# KiCad board rp2040-decoder.kicad_pcb (continued)
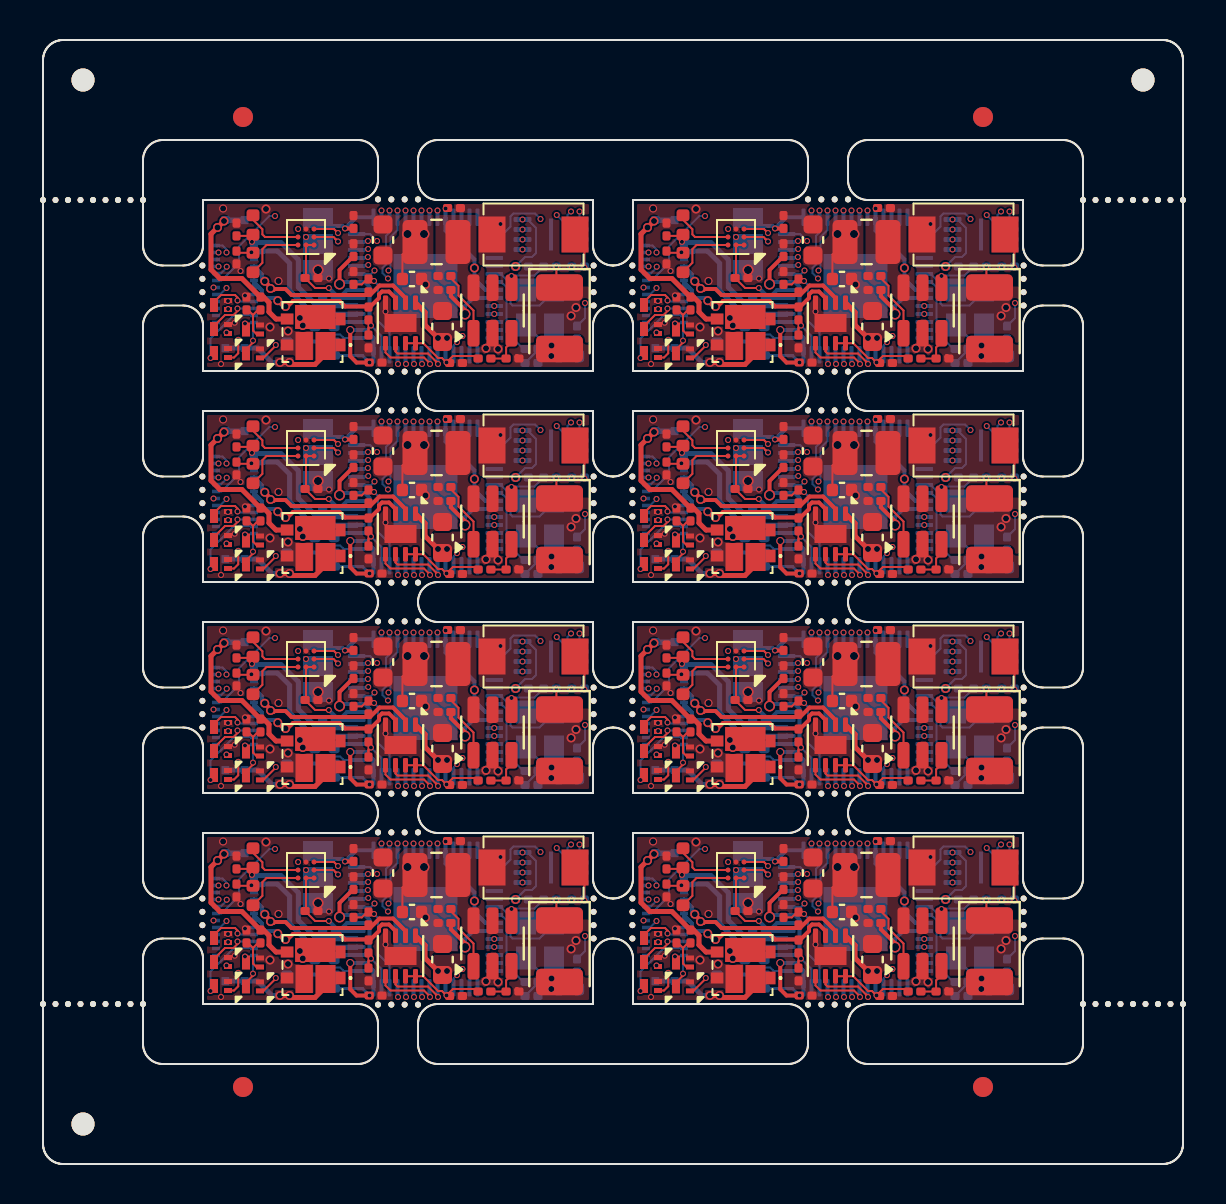
[diagram p0: board, top side]
## Routing (per net, layer and track width the routed paths; a pad name or vN(x,y) marks a point on that pad's centre or on a via; arc(x,y) is an arc through that point) (continued)
  Bottom w0.1: v3(26.4,47.62) 26.22,47.45 26.22,46.95 26.45,46.73 26.82,46.73 ; U3#4.55 16.05,46.1 16.1,46.15 v3(16.25,46.15)
Board_0-Net-(U1-IO2): length 12.8
  In2.Cu w0.1: v3(25.69,47.45) 25.59,47.55 21.7,47.55 19.75,45.6 16.55,45.6 16.4,45.75 v3(16.25,45.75)
  Bottom w0.1: v3(16.25,45.75) 16.06,45.75 16.01,45.7 U3#4.54 ; v3(25.69,47.45) 26,47.14 26,46.75 26.52,46.23 26.82,46.23
Board_0-Net-(U1-IO3): length 10.8
  In2.Cu w0.1: v3(16.57,44.68) 16.9,45 20,45 20.3,45.3 23.69,45.3 23.77,45.23 24.25,45.23 24.47,45.45 24.47,46.25 23.97,46.75
  Bottom w0.1: U3#4.51 16.4,44.5 v3(16.57,44.68)
  vias: v3(23.97,46.73)
Board_0-Net-(U1-~{CS}): length 15.6
  In2.Cu w0.1: v3(16.7,46.15) 16.7,46.11 16.82,46 19.56,46 21.51,47.95 26.5,47.95 v3(26.82,47.62) 26.43,47.23 26.43,44.88 v3(26.43,44.88)
  Bottom w0.1: U3#4.56 16.35,46.5 v3(16.7,46.15) ; v3(26.82,47.62) 26.82,47.23
Board_0-Net-(U2-BS): length 3.3
  Top w0.1: 20.4,44.4 20.4,44.29 20.78,43.91 20.78,43.42 21.53,42.67 U2.1
Board_0-Net-(U2-EN): length 2.4
  Top w0.1: v3(23.43,44.4) U2.4
  Bottom w0.1: v3(23.43,44.4) 23.45,44.43 24.58,44.43 R5#5.2
Board_0-Net-(U2-FB): length 2.1
  Top w0.1: 22.4,40.28 R7.2 23.16,40.83 23.43,41.1 U2.3
Board_0-Net-(U3-ADC_AVDD): length 2.8
  Bottom w0.1: U3#4.43 15.03,41.3 15,41.33 15,41.33 14.86,41.48 14.33,41.48 R10#5.2
  Bottom w0.2: R10#5.2 13.19,41.12 13.12,41.05
Board_0-Net-(U3-GPIO12): length 9.6
  In2.Cu w0.1: v3(24.88,47.25) 26.13,46 26.13,44.1 27.1,43.12 v3(27.1,43.05)
  Bottom w0.1: v3(27.1,43.05) 27.1,42.3 R9#4.2 ; U3#4.15 23,46.5 23.38,46.88 23.38,47.38 23.52,47.53 24.6,47.53 v3(24.88,47.25)
Board_0-Net-(U3-XIN): length 5.9
  Bottom w0.1: U3#4.20 22.88,44.5 23.38,44.01 23.38,43.03 23.47,42.93 24.82,42.93 25.55,43.65 Y1#7.3 26.25,43.7 C1#8.1
Board_0-Net-(U3-XOUT): length 4.2
  Bottom w0.1: 24.1,40.75 24.03,40.75 23.18,41.6 23.18,43.83 22.91,44.1 U3#4.21
Board_0-Net-(U5-OUTN): length 3
  Top w0.1: FB2#8.2 10.5,47.21 10.97,46.74 10.97,46.48 11.1,46.35 U5#2.B3
Board_0-Net-(U5-OUTP): length 3.2
  Top w0.1: FB1#2.2 10.97,45.06 10.97,45.75 11.18,45.95 U5#2.A3
Board_0-VDC: length 8.7
  Top w0.1: C4#5.1 25.67,43.98 v3(25.67,44.88)
  Top w0.25: U4#5.1 19.1,42.59 19.1,41.95 v4(19.75,41.3) v4(20.2,41.3)
  In2.Cu w0.2: v3(9.18,43.8) 10.5,43.8 12,42.3 v4(12.85,42.3)
  Bottom w0.1: J4#6.17 8.85,43.48 v3(9.18,43.8)
  vias: v4(12.99,41.93) v4(26.41,42.4) v4(26.65,42.83)
Board_1-+1V1: length 17.4
  Top w0.2: v1(42.6,42.5) 42.6,42.68 41.9,43.39 41.9,43.7 ; 37.09,45.45 37.07,45.45 36.33,44.7 v1(36.33,44)
  In2.Cu w0.4: v1(36.33,44) 36.88,43.45 41.8,43.45 42.6,42.65 v1(42.6,42.5)
  Bottom w0.2: v1(36.33,44) 36.43,44.1 U3#2.50 37.58,44.1 37.82,43.85 37.82,42.35 37.58,42.1 U3#2.45 36.21,42.1 36.06,41.95 ; v1(42.6,42.5) 42.6,42.9 43,43.3 U3#2.23
Board_1-+3.3V: length 42.9
  Top w0.1: v3(42.48,41.4) 42.5,41.38 ; v3(37.82,40.08) C13#6.1 ; U4#4.7 40.52,41.04 41.26,40.3 41.45,40.3 41.67,40.08 v3(41.68,40.08) 42,40.4 43.13,40.4 R8#6.1 ; U5#4.A1 U5#4.A2 34.65,44.34 34.6,44.3 35.1,43.8 v3(35.79,43.8) ; C10#2.1 39.47,45.47 L1#2.2
  Top w0.2: v3(36.6,46.78) 37.02,46.78 C17.1 ; v2(36.86,41.7) 36.86,40.39 37.18,40.08 C13#6.1
  In1.Cu w0.2: v2(36.86,41.7) 35.79,42.77 v3(35.79,43.8)
  In1.Cu w0.25: v3(37.82,40.08) 38.12,40.38 41.43,40.38 ; 41.43,40.38 42.01,40.38 42.57,40.94 42.57,41.3 v3(42.48,41.4) ; 41.43,40.38 41.68,40.12 v3(41.68,40.08)
  In2.Cu w0.1: v4(45.13,44.88) 45.06,44.8 v4(43.07,44.8)
  Bottom w0.1: v4(45.13,44.88) 45.6,45.35 45.95,45.35 46.15,45.55 46.15,46.8 45.73,47.23 v3(45.47,47.23)
  Bottom w0.15: R10#4.1 C11#7.1 37.47,40.43 37.66,40.24 ; 37.97,40.15 37.75,40.15 37.66,40.24 ; 37.66,40.24 v3(37.82,40.08)
  Bottom w0.2: 37.08,43.3 36.3,43.3 ; 36.3,43.3 36.25,43.35 C12#3.1 36.12,43.47 v3(35.79,43.8) ; 36.3,43.3 36.7,43.7 U3#2.49 ; U3#2.44 37.62,41.7 38.03,41.3 U3#2.42 ; 35.5,47.33 35.82,47.65 ; U3#2.22 43.62,43.7 43.07,44.25 v4(43.07,44.8) 43.07,45.23 41.62,46.68 U3#2.10 ; 35.43,47.12 JP1.3 35.65,46.9 36.48,46.9 v3(36.6,46.78) 37.16,47.34 U3#2.1
  vias: v1(39.72,46.5) v1(40.55,46.5) v3(30.03,43.83) v3(41.63,47.78)
Board_1-/ADC_EMF_A: length 2.8
  Top w0.1: v3(37.9,41.92) 37.78,41.8 37.78,41.62 ; R11#2.1 R12#8.2
  Bottom w0.1: U3#2.41 38.43,41.39 v3(37.9,41.92)
Board_1-/ADC_EMF_B: length 5.2
  Top w0.1: R14#3.2 37.44,43.98 37.78,44.31 37.89,44.31 v3(38.05,44.15)
  Bottom w0.1: U3#2.40 38.82,41.58 38.25,42.15 38.25,43.95 v3(38.05,44.15)
Board_1-/AUX1 (VDC): length 3.6
  Bottom w0.1: J4#5.11 32.03,42.45 31.05,42.45 29.88,41.28 v3(29.88,40.3)
Board_1-/AUX2 (VDC): length 1.7
  Top w0.1: Q5#7.3 31.65,40.72 32,41.08 v3(32,41.17)
  Bottom w0.1: v3(32,41.17) 32,41.66 32.05,41.71 J4#5.12
Board_1-/AUX3: length 11.3
  In2.Cu w0.1: v3(39.62,47.68) 39.62,47.65 38.91,46.93 38.18,46.93 37.83,47.28 33.97,47.28 33.39,46.7 31.62,46.7 31.07,46.15 31.07,45.33 30.92,45.17 30.57,45.17 v3(30.28,44.88)
Board_1-/AUX4: length 12
  In2.Cu w0.1: v3(30.69,44.86) 30.94,44.86 31.28,45.2 31.28,46.07 31.71,46.5 33.47,46.5 34.05,47.08 37.75,47.08 38.09,46.73 39.11,46.73 40.03,47.65 v3(40.03,47.68)
  Bottom w0.1: v3(30.69,44.86) 30.69,44.82 30.39,44.53 J4#5.20
Board_1-/AUX10: length 10.6
  In2.Cu w0.1: v3(38.43,47.68) 38.43,47.53 38.03,47.93 33.63,47.93 v3(33.1,47.4)
  Bottom w0.1: 30.15,44.18 30.42,44.18 31.3,45.05 31.3,45.88 32.82,47.4 v3(33.1,47.4)
Board_1-/AUX11: length 19.7
  In2.Cu w0.1: v3(38.83,47.67) 38.83,47.65 38.72,47.75 38.72,47.55 38.51,47.33 38.34,47.33 38,47.68 33.8,47.68 33.23,47.1 31.46,47.1 30.28,45.92 v3(30.28,45.58) ; v3(44.06,42.5) 44.03,42.5 42.05,44.48 39,44.48 38.8,44.28 v3(38.75,44.28)
  Bottom w0.1: v3(38.75,44.28) 38.47,44.55 38.47,44.8 38.65,44.97 38.65,46.41 38.82,46.58 U3#2.3
Board_1-/AUX12: length 19.6
  In2.Cu w0.1: v3(39.23,47.68) 39.23,47.65 38.71,47.13 38.26,47.13 37.92,47.48 33.88,47.48 33.31,46.9 31.54,46.9 30.68,46.03 v3(30.68,45.58) ; v3(38.77,44.68) 42.13,44.68 43.91,42.9 v3(44.06,42.9)
  Bottom w0.1: U3#2.4 39.22,46.7 38.88,46.35 38.88,44.78 v3(38.77,44.68) ; J4#5.24 30.47,45.93 30.68,45.72 v3(30.68,45.58)
Board_1-/GPIO21: length 12.1
  In2.Cu w0.1: v3(31.6,42.03) 32.15,41.48 33.32,41.48 33.55,41.25 39.65,41.25 40.32,40.58 41.68,40.58 v3(42.2,41.09)
  Bottom w0.1: U3#2.32 42.03,40.92 v3(42.2,41.09)
Board_1-/GPIO22: length 2.9
  Top w0.1: v3(41.25,40) 41.18,40 41.15,40.02 41.15,40.12 40.75,40.53 39.22,40.53 39.12,40.62 U4#4.6
Board_1-/GPIO23: length 2.9
  Top w0.1: U4#4.5 38.62,40.58 38.88,40.33 40.55,40.33 40.85,40.02 v3(40.85,40)
Board_1-/GPIO24: length 11.5
  Top w0.1: v3(31.26,41.21) 31.26,40.54 31.05,40.33 Q2#2.1
  In2.Cu w0.1: v3(40.45,40) 40.45,40.02 39.42,41.05 33.46,41.05 33.26,41.25 33,41.25 32.43,40.68 31.78,40.68 31.26,41.19 v3(31.26,41.21)
Board_1-/GPIO25: length 8.4
  Top w0.1: v3(33.14,40.95) 33.14,40.92 32.52,40.3 Q5#7.1
  In2.Cu w0.1: v3(40.05,40) 40.05,40.02 39.22,40.85 33.24,40.85 v3(33.14,40.95)
Board_1-/GPIO26: length 11.4
  In2.Cu w0.1: v3(30.75,42.75) 30.75,41.88 30.8,41.88 30.97,41.7 30.97,41.45 30.88,41.35 30.88,40.73 31.13,40.48 32.94,40.48 33.11,40.65 39.02,40.65 39.65,40.02 v3(39.65,40)
Board_1-/GPIO27: length 9.9
  In2.Cu w0.1: v3(30.68,41.58) 30.68,40.65 31.05,40.28 33.02,40.28 33.19,40.45 38.8,40.45 v3(39.25,40)
Board_1-/I2S_BCLK: length 6.5
  Top w0.1: v3(36.25,46.55) 36.05,46.75 U5#4.C1
  In1.Cu w0.1: v3(40.82,47.68) 40.82,47.65 40.35,47.18 36.58,47.18 36.25,46.85 v3(36.25,46.55)
Board_1-/I2S_DIN: length 6.9
  Top w0.1: U5#4.B1 36.03,46.35 36.13,46.25 v3(36.25,46.12)
  In1.Cu w0.1: v3(36.25,46.12) 36.37,46.12 37.22,46.98 40.55,46.98 41.22,47.65 v3(41.22,47.68)
Board_1-/I2S_LRCLK: length 6.6
  In1.Cu w0.1: v3(40.43,47.68) 40.43,47.65 40.15,47.38 34.88,47.38 34.26,46.76 v3(34.26,46.75)
Board_1-/LAMP_FRONT: length 2.5
  Top w0.1: Q3.3 30.05,43.1 30.4,43.45 31.1,43.45 31.23,43.32 v3(31.23,43.17)
  Bottom w0.1: J4#5.9 31.28,43.12 v3(31.23,43.17)
Board_1-/LAMP_REAR: length 2.6
  Top w0.1: Q6#3.3 30.05,41.9 30.6,42.45 31.03,42.45 31.22,42.65 v3(31.22,42.78)
  Bottom w0.1: v3(31.22,42.78) 32.05,42.78
Board_1-/MOTOR_A: length 9.7
  Top w0.2: v4(33.24,43.17) 33.53,42.88 v4(33.62,42.88) 33.72,42.88 34,43.15 36.32,43.15 36.6,42.88 37.88,42.88 38.3,43.3 38.3,43.47 38.45,43.62 38.8,43.62 39.12,43.3 U4#4.3
  Bottom w0.2: 32.05,43.86 J4#5.7 32.05,44.18 32.05,44.08 32.45,43.68 32.45,43.45 32.6,43.3 33.11,43.3 v4(33.24,43.17) 33.53,42.88 v4(33.62,42.88)
Board_1-/MOTOR_B: length 9.8
  Top w0.2: v4(32.59,44.14) 33.03,43.7 33.07,43.75 33.62,43.75 33.93,43.45 37.85,43.45 38.32,43.93 39,43.93 39.62,43.3 U4#4.2
  Bottom w0.2: v4(32.88,43.78) 32.88,43.8 32.45,44.23 32.45,44.48 32.05,44.88 J4#5.5
Board_1-/SPEAKER_N: length 9.1
  Top w0.1: C20#3.1 31.94,46.41 FB2#4.1 32,46.16
  Bottom w0.25: 32.1,45.98 31.97,46.1 v3(31.95,46.1) ; v3(31.95,46.1) 31.95,46.03 31.95,46.03 31.95,45.96 ; v3(31.95,46.1) 32.1,45.95 ; v3(31.95,46.1) 31.98,46.07 33.41,46.07 34.26,45.21 34.26,43.84 35.19,42.92 37.17,42.92 U3#2.47
Board_1-/SPEAKER_P: length 8.4
  Top w0.1: C22#5.1 31.26,45.56 FB1#4.1 ; 31.95,45.57 31.94,45.57 v3(31.92,45.58)
  Bottom w0.25: 31.96,45.55 v3(31.92,45.58) 31.95,45.61 31.95,45.61 31.96,45.6 32.25,45.6 32.26,45.61 32.47,45.61 32.47,45.64 33.23,45.64 33.84,45.04 33.84,43.66 35.01,42.48 37.17,42.48 U3#2.46
Board_1-/TRACK_LEFT: length 9.9
  Top w0.25: v4(30.55,47.15) 29.9,46.5 29.9,44.72 30.34,44.28 31.44,44.28 R1.2 32.53,43.35 32.8,43.08 32.8,42.6 33.15,42.25 D1#3.3 33.71,42.18
  Bottom w0.25: v4(30.55,47.15) 30.59,47.2 31.58,47.2 30.63,47.2 J4#5.X1B
  vias: v4(30.22,46.83)
Board_1-/TRACK_RIGHT: length 6
  Top w0.25: v4(33.35,40.08) v4(33.82,40.08) 33.92,39.98 35.1,39.98 35.62,40.5 D1#3.1
  Bottom w0.25: v4(33.35,40.08) 32.95,40.08 32.23,40.8 J4#5.X2A J4#5.X2B
Board_1-GND: length 0.9
  Top w0.2: Q3.2 v3(30.75,43.15)
  Top w0.25: 45.2,40.37 45.2,40.37 R7#3.1 ; U2#5.2 43.97,41.11
  Top w0.4: C10#2.2 40.43,44.17 v4(40.62,43.98)
  vias: v1(35.25,44.7) v2(30.5,47.78) v2(33.28,44.15) v3(30.4,40) v3(31.09,42.06) v3(31.38,44.65) v3(31.6,43.43) v3(35.8,44.28) v3(38.62,42.62) v3(44.38,47) v4(32.65,47.75) v4(32.85,41.85) v4(33.75,41.65) v4(43.65,40.79) v4(44.25,40.75) v4(46.93,40.93) v4(46.91,40.4)
Board_1-Net-(C3-Pad1): length 2.4
  Bottom w0.1: Y1#2.1 46.25,41.36 R6.2 46.25,40.69 45.6,40.05
Board_1-Net-(D2-A): length 0.9
  Bottom w0.1: D2#2.2 48.2,40.46 R9#2.1
Board_1-Net-(JP1-C): length 0.7
  Bottom w0.1: JP1.2 34.9,46.35 v3(34.65,46.35)
Board_1-Net-(Q1-G): length 2.1
  Top w0.1: R1.1 32.25,42.71 32,42.46 ; 32,42.46 32,41.68 32.18,41.5 Q1.1 ; 32,42.46 31.75,42.71 R2#5.2
Board_1-Net-(R4-Pad2): length 1.8
  Top w0.1: SW1#5.2 48.57,46.01 v3(48.57,44.83)
Board_1-Net-(U1-CLK): length 9.7
  In2.Cu w0.1: v3(45.47,46.23) 45.78,45.93 45.78,45.55 45.65,45.43 45.35,45.43 45.25,45.53 41.74,45.53 41.42,45.2 38.02,45.2 37.77,44.95 v3(37.76,44.95)
  Bottom w0.1: v3(37.76,44.95) 37.71,44.9 U3#2.52
Board_1-Net-(U1-DI(IO0)): length 8.5
  In2.Cu w0.1: v3(45.47,45.73) 41.66,45.73 41.33,45.4 37.8,45.4 v3(37.75,45.35)
  Bottom w0.1: v3(37.75,45.35) 37.7,45.3 U3#2.53
Board_1-Net-(U1-DO(IO1)): length 13.2
  In2.Cu w0.1: v3(47.9,47.62) 47.78,47.75 43.12,47.75 41.17,45.8 38.13,45.8 37.78,46.15 v3(37.75,46.15)
  Bottom w0.1: 48.32,46.73 47.95,46.73 47.72,46.95 47.72,47.45 v3(47.9,47.62) ; v3(37.75,46.15) 37.6,46.15 37.55,46.1 U3#2.55
Board_1-Net-(U1-IO2): length 12.8
  In2.Cu w0.1: v3(37.75,45.75) 37.9,45.75 38.05,45.6 41.25,45.6 43.2,47.55 47.09,47.55 v3(47.19,47.45)
  Bottom w0.1: 48.32,46.23 48.02,46.23 47.5,46.75 47.5,47.14 v3(47.19,47.45) ; U3#2.54 37.51,45.7 37.56,45.75 v3(37.75,45.75)
Board_1-Net-(U1-IO3): length 10.8
  In2.Cu w0.1: v3(38.07,44.68) 38.4,45 41.5,45 41.8,45.3 45.19,45.3 45.27,45.23 45.75,45.23 45.97,45.45 45.97,46.25 45.47,46.75
  Bottom w0.1: U3#2.51 37.9,44.5 v3(38.07,44.68)
  vias: v3(45.47,46.73)
Board_1-Net-(U1-~{CS}): length 15.6
  In2.Cu w0.1: v3(47.93,44.88) 47.93,44.88 47.93,47.23 v3(48.32,47.62) 48,47.95 43.01,47.95 41.06,46 38.32,46 38.2,46.11 v3(38.2,46.15)
  Bottom w0.1: v3(38.2,46.15) 37.85,46.5 U3#2.56 ; v3(48.32,47.62) 48.32,47.23
Board_1-Net-(U2-BS): length 3.3
  Top w0.1: U2#5.1 43.03,42.67 42.28,43.42 42.28,43.91 41.9,44.29 41.9,44.4
Board_1-Net-(U2-EN): length 2.4
  Top w0.1: v3(44.93,44.4) U2#5.4
  Bottom w0.1: v3(44.93,44.4) 44.95,44.43 46.08,44.43 R5#4.2
Board_1-Net-(U2-FB): length 2.1
  Top w0.1: 43.9,40.28 R7#3.2 44.66,40.83 44.93,41.1 U2#5.3
Board_1-Net-(U3-ADC_AVDD): length 2.8
  Bottom w0.1: U3#2.43 36.53,41.3 36.5,41.33 36.5,41.33 36.36,41.48 35.83,41.48 R10#4.2
  Bottom w0.2: 34.62,41.05 34.69,41.12 R10#4.2
Board_1-Net-(U3-GPIO12): length 9.6
  In2.Cu w0.1: v3(46.38,47.25) 47.63,46 47.63,44.1 48.6,43.12 v3(48.6,43.05)
  Bottom w0.1: U3#2.15 44.5,46.5 44.88,46.88 44.88,47.38 45.02,47.53 46.1,47.53 v3(46.38,47.25) ; v3(48.6,43.05) 48.6,42.3 R9#2.2
Board_1-Net-(U3-XIN): length 5.9
  Bottom w0.1: U3#2.20 44.38,44.5 44.88,44.01 44.88,43.03 44.97,42.93 46.32,42.93 47.05,43.65 Y1#2.3 47.75,43.7 C1#2.1
Board_1-Net-(U3-XOUT): length 4.2
  Bottom w0.1: 45.6,40.75 45.53,40.75 44.68,41.6 44.68,43.83 44.41,44.1 U3#2.21
Board_1-Net-(U5-OUTN): length 3
  Top w0.1: FB2#4.2 32,47.21 32.47,46.74 32.47,46.48 32.6,46.35 U5#4.B3
Board_1-Net-(U5-OUTP): length 3.2
  Top w0.1: U5#4.A3 32.68,45.95 32.47,45.75 32.47,45.06 FB1#4.2
Board_1-VDC: length 8.7
  Top w0.1: v3(47.17,44.88) 47.17,43.98 C4#8.1
  Top w0.25: U4#4.1 40.6,42.59 40.6,41.95 v4(41.25,41.3) v4(41.7,41.3)
  In2.Cu w0.2: v4(34.35,42.3) 33.5,42.3 32,43.8 v3(30.68,43.8)
  Bottom w0.1: J4#5.17 30.35,43.48 v3(30.68,43.8)
  vias: v4(34.49,41.93) v4(47.91,42.4) v4(48.15,42.83)
Board_2-+1V1: length 17.4
  Top w0.2: v1(14.83,33.45) 14.83,34.15 15.57,34.9 15.59,34.9 ; 20.4,33.15 20.4,32.84 21.1,32.13 v1(21.1,31.95)
  In2.Cu w0.4: v1(21.1,31.95) 21.1,32.1 20.3,32.9 15.38,32.9 v1(14.83,33.45)
  Bottom w0.2: v1(14.83,33.45) 14.93,33.55 U3#3.50 16.08,33.55 16.32,33.3 16.32,31.8 16.08,31.55 U3#3.45 14.71,31.55 14.56,31.4 ; U3#3.23 21.5,32.75 21.1,32.35 v1(21.1,31.95)
Board_2-+3.3V: length 42.9
  Top w0.1: R8#5.1 21.63,29.85 20.5,29.85 v3(20.18,29.53) 20.17,29.53 19.95,29.75 19.76,29.75 19.02,30.49 U4.7 ; v3(14.29,33.25) 13.6,33.25 13.1,33.75 13.15,33.8 U5#8.A2 U5#8.A1 ; L1.2 17.97,34.92 C10#6.1 ; v3(16.32,29.53) C13#4.1 ; v3(20.98,30.85) 21,30.83
  Top w0.2: C17#7.1 15.52,36.23 v3(15.1,36.23) ; C13#4.1 15.68,29.53 15.36,29.84 v2(15.36,31.15)
  In1.Cu w0.2: v2(15.36,31.15) 14.29,32.22 v3(14.29,33.25)
  In1.Cu w0.25: v3(20.98,30.85) 21.07,30.75 21.07,30.39 20.51,29.83 19.93,29.83 ; v3(20.18,29.53) 20.18,29.58 19.93,29.83 ; 19.93,29.83 16.62,29.83 v3(16.32,29.53)
  In2.Cu w0.1: v4(21.57,34.25) 23.56,34.25 v4(23.63,34.33)
  Bottom w0.1: v4(23.63,34.33) 24.1,34.8 24.45,34.8 24.65,35 24.65,36.25 24.23,36.68 v3(23.97,36.68)
  Bottom w0.15: 16.16,29.69 16.25,29.6 16.47,29.6 ; 16.16,29.69 v3(16.32,29.53) ; 16.16,29.69 15.97,29.88 C11#6.1 R10#7.1
  Bottom w0.2: U3#3.10 20.12,36.12 21.57,34.68 v4(21.57,34.25) 21.57,33.7 22.12,33.15 U3#3.22 ; U3#3.42 16.53,30.75 16.12,31.15 U3#3.44 ; 14.8,32.75 14.75,32.8 C12#8.1 14.62,32.92 v3(14.29,33.25) ; 14.8,32.75 15.58,32.75 ; 14.8,32.75 15.2,33.15 U3#3.49 ; 13.93,36.58 JP1#4.3 14.15,36.35 14.98,36.35 v3(15.1,36.23) 15.66,36.79 U3#3.1 ; 14,36.78 14.32,37.1
  vias: v1(18.22,35.95) v1(19.05,35.95) v3(8.53,33.28) v3(20.13,37.23)
Board_2-/ADC_EMF_A: length 2.8
  Top w0.1: R11#7.1 R12#6.2 ; 16.28,31.07 16.28,31.25 v3(16.4,31.37)
  Bottom w0.1: U3#3.41 16.93,30.84 v3(16.4,31.37)
Board_2-/ADC_EMF_B: length 5.2
  Top w0.1: v3(16.55,33.6) 16.39,33.76 16.28,33.76 15.94,33.43 R14#4.2
  Bottom w0.1: v3(16.55,33.6) 16.75,33.4 16.75,31.6 17.32,31.03 U3#3.40
Board_2-/AUX1 (VDC): length 3.6
  Bottom w0.1: v3(8.38,29.75) 8.38,30.73 9.55,31.9 10.53,31.9 J4#7.11
Board_2-/AUX2 (VDC): length 1.7
  Top w0.1: v3(10.5,30.62) 10.5,30.53 10.15,30.17 Q5#5.3
  Bottom w0.1: J4#7.12 10.55,31.16 10.5,31.11 v3(10.5,30.62)
Board_2-/AUX3: length 11.3
  In2.Cu w0.1: v3(18.12,37.12) 18.12,37.1 17.41,36.38 16.68,36.38 16.33,36.73 12.47,36.73 11.89,36.15 10.12,36.15 9.57,35.6 9.57,34.78 9.42,34.62 9.07,34.62 v3(8.78,34.33)
Board_2-/AUX4: length 12
  In2.Cu w0.1: v3(18.53,37.12) 18.53,37.1 17.61,36.18 16.59,36.18 16.25,36.53 12.55,36.53 11.97,35.95 10.21,35.95 9.78,35.52 9.78,34.65 9.44,34.31 v3(9.19,34.31)
  Bottom w0.1: J4#7.20 8.89,33.98 9.19,34.27 v3(9.19,34.31)
Board_2-/AUX10: length 10.6
  In2.Cu w0.1: v3(11.6,36.85) 12.13,37.38 16.53,37.38 16.93,36.98 v3(16.93,37.12)
  Bottom w0.1: J4#7.19 8.92,33.62 9.8,34.5 9.8,35.33 11.32,36.85 v3(11.6,36.85)
Board_2-/AUX11: length 19.7
  In2.Cu w0.1: v3(8.78,35.03) 8.78,35.37 9.96,36.55 11.73,36.55 12.3,37.12 16.5,37.12 16.84,36.78 17.01,36.78 17.22,37 17.22,37.2 17.33,37.1 v3(17.33,37.12) ; v3(17.25,33.73) 17.3,33.73 17.5,33.93 20.55,33.93 22.53,31.95 v3(22.56,31.95)
  Bottom w0.1: U3#3.3 17.32,36.03 17.15,35.86 17.15,34.42 16.97,34.25 16.97,34 v3(17.25,33.73)
Board_2-/AUX12: length 19.6
  In2.Cu w0.1: v3(17.27,34.12) 20.63,34.12 22.41,32.35 v3(22.56,32.35) ; v3(9.18,35.03) 9.18,35.48 10.04,36.35 11.81,36.35 12.38,36.93 16.42,36.93 16.76,36.58 17.21,36.58 17.73,37.1 v3(17.73,37.13)
  Bottom w0.1: U3#3.4 17.72,36.15 17.38,35.8 17.38,34.23 v3(17.27,34.12) ; v3(9.18,35.03) 9.18,35.17 8.97,35.38 J4#7.24
Board_2-/GPIO21: length 12.1
  In2.Cu w0.1: v3(10.1,31.48) 10.65,30.93 11.82,30.93 12.05,30.7 18.15,30.7 18.82,30.03 20.18,30.03 v3(20.7,30.54)
  Bottom w0.1: U3#3.32 20.53,30.37 v3(20.7,30.54)
Board_2-/GPIO22: length 2.9
  Top w0.1: U4.6 17.62,30.08 17.72,29.98 19.25,29.98 19.65,29.57 19.65,29.47 19.68,29.45 v3(19.75,29.45)
Board_2-/GPIO23: length 2.9
  Top w0.1: v3(19.35,29.45) 19.35,29.47 19.05,29.78 17.38,29.78 17.12,30.03 U4.5
Board_2-/GPIO24: length 11.5
  Top w0.1: 9.25,29.78 9.55,29.78 9.76,29.99 v3(9.76,30.66)
  In2.Cu w0.1: v3(18.95,29.45) 18.95,29.47 17.92,30.5 11.96,30.5 11.76,30.7 11.5,30.7 10.93,30.12 10.28,30.12 9.76,30.64 v3(9.76,30.66)
Board_2-/GPIO25: length 8.4
  Top w0.1: Q5#5.1 11.02,29.76 11.64,30.37 v3(11.64,30.4)
  In2.Cu w0.1: v3(11.64,30.4) 11.74,30.3 17.72,30.3 18.55,29.47 v3(18.55,29.45)
Board_2-/GPIO26: length 11.4
  In2.Cu w0.1: v3(9.25,32.2) 9.25,31.33 9.3,31.33 9.47,31.15 9.47,30.9 9.38,30.8 9.38,30.18 9.63,29.93 11.44,29.93 11.61,30.1 17.52,30.1 18.15,29.47 v3(18.15,29.45)
Board_2-/GPIO27: length 9.9
  In2.Cu w0.1: v3(9.18,31.03) 9.18,30.1 9.55,29.73 11.52,29.73 11.69,29.9 17.3,29.9 v3(17.75,29.45)
Board_2-/I2S_BCLK: length 6.5
  Top w0.1: U5#8.C1 14.55,36.2 v3(14.75,36)
  In1.Cu w0.1: v3(14.75,36) 14.75,36.3 15.08,36.62 18.85,36.62 19.32,37.1 v3(19.32,37.12)
Board_2-/I2S_DIN: length 6.9
  Top w0.1: v3(14.75,35.58) 14.63,35.7 14.53,35.8 U5#8.B1
  In1.Cu w0.1: v3(14.75,35.58) 14.87,35.58 15.72,36.43 19.05,36.43 19.72,37.1 v3(19.72,37.12)
Board_2-/I2S_LRCLK: length 6.6
  In1.Cu w0.1: v3(18.93,37.12) 18.93,37.1 18.65,36.83 13.38,36.83 12.76,36.21 v3(12.76,36.2)
Board_2-/LAMP_FRONT: length 2.5
  Top w0.1: Q3#8.3 8.55,32.55 8.9,32.9 9.6,32.9 9.73,32.77 v3(9.73,32.62)
  Bottom w0.1: v3(9.73,32.62) 9.78,32.58 J4#7.9
Board_2-/LAMP_REAR: length 2.6
  Top w0.1: v3(9.72,32.23) 9.72,32.1 9.53,31.9 9.1,31.9 8.55,31.35 Q6#8.3
  Bottom w0.1: v3(9.72,32.23) J4#7.10
Board_2-/MOTOR_A: length 9.7
  Top w0.2: U4.3 17.62,32.75 17.3,33.08 16.95,33.08 16.8,32.92 16.8,32.75 16.38,32.33 15.1,32.33 14.82,32.6 12.5,32.6 12.22,32.33 v4(12.12,32.33) 12.03,32.33 v4(11.74,32.62)
  Bottom w0.2: v4(12.12,32.33) 12.03,32.33 v4(11.74,32.62) 11.61,32.75 11.1,32.75 10.95,32.9 10.95,33.12 10.55,33.53 J4#7.6 J4#7.7 10.55,33.31
Board_2-/MOTOR_B: length 9.8
  Top w0.2: v4(11.09,33.59) 11.53,33.15 11.57,33.2 12.12,33.2 12.43,32.9 16.35,32.9 16.82,33.38 17.5,33.38 18.12,32.75 U4.2
  Bottom w0.2: J4#7.5 J4#7.4 10.95,33.93 10.95,33.68 11.38,33.25 v4(11.38,33.23)
Board_2-/SPEAKER_N: length 9.1
  Top w0.1: 10.5,35.61 FB2#6.1 10.44,35.86 C20.1
  Bottom w0.25: 10.6,35.4 v3(10.45,35.55) ; v3(10.45,35.55) 10.45,35.48 10.45,35.48 10.45,35.41 ; v3(10.45,35.55) 10.48,35.52 11.91,35.52 12.76,34.66 12.76,33.29 13.69,32.37 15.67,32.37 U3#3.47 ; v3(10.45,35.55) 10.47,35.55 10.6,35.43
Board_2-/SPEAKER_P: length 8.4
  Top w0.1: FB1#3.1 9.76,35.01 C22#3.1 ; 10.45,35.02 10.44,35.02 v3(10.42,35.03)
  Bottom w0.25: 10.46,35 v3(10.42,35.03) 10.45,35.06 10.45,35.06 10.46,35.05 10.75,35.05 10.76,35.06 10.97,35.06 10.97,35.09 11.73,35.09 12.34,34.49 12.34,33.11 13.51,31.94 15.67,31.94 U3#3.46
Board_2-/TRACK_LEFT: length 9.9
  Top w0.25: v4(9.05,36.6) 8.4,35.95 8.4,34.17 8.84,33.73 9.94,33.73 R1#8.2 11.03,32.8 11.3,32.53 11.3,32.05 11.65,31.7 D1#5.3 12.21,31.63
  Bottom w0.25: v4(9.05,36.6) 9.09,36.65 J4#7.X1A 9.13,36.65 J4#7.X1B
  vias: v4(8.72,36.28)
Board_2-/TRACK_RIGHT: length 6
  Top w0.25: D1#5.1 14.12,29.95 13.6,29.43 12.42,29.43 v4(12.32,29.53) v4(11.85,29.53)
  Bottom w0.25: J4#7.X2B J4#7.X2A 10.73,30.25 11.45,29.53 v4(11.85,29.53)
Board_2-GND: length 0.9
  Top w0.2: 9.25,32.62 v3(9.25,32.6)
  Top w0.25: 23.7,29.82 23.7,29.82 R7#7.1 ; U2#7.2 22.47,30.56
  Top w0.4: C10#6.2 18.93,33.62 v4(19.12,33.43)
  vias: v1(13.75,34.15) v2(9,37.23) v2(11.78,33.6) v3(8.9,29.45) v3(9.59,31.51) v3(9.88,34.1) v3(10.1,32.88) v3(14.3,33.73) v3(17.12,32.08) v3(22.88,36.45) v4(11.15,37.2) v4(11.35,31.3) v4(12.25,31.1) v4(22.15,30.24) v4(22.75,30.2) v4(25.43,30.38) v4(25.41,29.85)
Board_2-Net-(C3-Pad1): length 2.4
  Bottom w0.1: Y1#4.1 24.75,30.8 R6#2.2 24.75,30.14 24.1,29.5
Board_2-Net-(D2-A): length 0.9
  Bottom w0.1: D2.2 26.7,29.91 R9#7.1
Board_2-Net-(JP1-C): length 0.7
  Bottom w0.1: JP1#4.2 13.4,35.8 v3(13.15,35.8)
Board_2-Net-(Q1-G): length 2.1
  Top w0.1: 10.5,31.91 10.5,31.12 10.68,30.95 Q1#8.1 ; 10.5,31.91 10.25,32.16 R2#2.2 ; 10.5,31.91 10.75,32.16 R1#8.1
Board_2-Net-(R4-Pad2): length 1.8
  Top w0.1: SW1#6.2 27.07,35.46 v3(27.07,34.28)
Board_2-Net-(U1-CLK): length 9.7
  In2.Cu w0.1: v3(16.26,34.4) 16.27,34.4 16.52,34.65 19.92,34.65 20.24,34.98 23.75,34.98 23.85,34.88 24.15,34.88 24.28,35 24.28,35.38 v3(23.97,35.68)
  Bottom w0.1: v3(16.26,34.4) 16.21,34.35 U3#3.52
Board_2-Net-(U1-DI(IO0)): length 8.5
  In2.Cu w0.1: v3(23.97,35.18) 20.16,35.18 19.83,34.85 16.3,34.85 v3(16.25,34.8)
  Bottom w0.1: U3#3.53 16.2,34.75 v3(16.25,34.8)
Board_2-Net-(U1-DO(IO1)): length 13.2
  In2.Cu w0.1: v3(16.25,35.6) 16.28,35.6 16.63,35.25 19.67,35.25 21.62,37.2 26.28,37.2 v3(26.4,37.07)
  Bottom w0.1: v3(16.25,35.6) 16.1,35.6 16.05,35.55 U3#3.55 ; v3(26.4,37.07) 26.22,36.9 26.22,36.4 26.45,36.18 26.82,36.18
Board_2-Net-(U1-IO2): length 12.8
  In2.Cu w0.1: v3(16.25,35.2) 16.4,35.2 16.55,35.05 19.75,35.05 21.7,37 25.59,37 v3(25.69,36.9)
  Bottom w0.1: U3#3.54 16.01,35.15 16.06,35.2 v3(16.25,35.2) ; v3(25.69,36.9) 26,36.59 26,36.2 26.52,35.68 26.82,35.68
Board_2-Net-(U1-IO3): length 10.8
  In2.Cu w0.1: 23.97,36.2 24.47,35.7 24.47,34.9 24.25,34.68 23.77,34.68 23.69,34.75 20.3,34.75 20,34.45 16.9,34.45 v3(16.57,34.12)
  Bottom w0.1: v3(16.57,34.12) 16.4,33.95 U3#3.51
  vias: v3(23.97,36.18)
Board_2-Net-(U1-~{CS}): length 15.6
  In2.Cu w0.1: v3(16.7,35.6) 16.7,35.56 16.82,35.45 19.56,35.45 21.51,37.4 26.5,37.4 v3(26.82,37.08) 26.43,36.68 26.43,34.33 v3(26.43,34.33)
  Bottom w0.1: v3(16.7,35.6) 16.35,35.95 U3#3.56 ; v3(26.82,37.08) 26.82,36.68
Board_2-Net-(U2-BS): length 3.3
  Top w0.1: U2#7.1 21.53,32.12 20.78,32.87 20.78,33.36 20.4,33.74 20.4,33.85
Board_2-Net-(U2-EN): length 2.4
  Top w0.1: v3(23.43,33.85) U2#7.4
  Bottom w0.1: R5.2 24.58,33.88 23.45,33.88 v3(23.43,33.85)
Board_2-Net-(U2-FB): length 2.1
  Top w0.1: U2#7.3 23.43,30.55 23.16,30.28 R7#7.2 22.4,29.73
Board_2-Net-(U3-ADC_AVDD): length 2.8
  Bottom w0.1: R10#7.2 14.33,30.93 14.86,30.93 15,30.78 15,30.78 15.03,30.75 U3#3.43
  Bottom w0.2: R10#7.2 13.19,30.58 13.12,30.51
Board_2-Net-(U3-GPIO12): length 9.6
  In2.Cu w0.1: v3(27.1,32.5) 27.1,32.57 26.13,33.55 26.13,35.45 v3(24.88,36.7)
  Bottom w0.1: U3#3.15 23,35.95 23.38,36.33 23.38,36.83 23.52,36.98 24.6,36.98 v3(24.88,36.7) ; R9#7.2 27.1,31.75 v3(27.1,32.5)
Board_2-Net-(U3-XIN): length 5.9
  Bottom w0.1: C1#7.1 26.25,33.15 Y1#4.3 25.55,33.1 24.82,32.38 23.47,32.38 23.38,32.48 23.38,33.46 22.88,33.95 U3#3.20
Board_2-Net-(U3-XOUT): length 4.2
  Bottom w0.1: U3#3.21 22.91,33.55 23.18,33.28 23.18,31.05 24.03,30.2 24.1,30.2
Board_2-Net-(U5-OUTN): length 3
  Top w0.1: FB2#6.2 10.5,36.66 10.97,36.19 10.97,35.93 11.1,35.8 U5#8.B3
Board_2-Net-(U5-OUTP): length 3.2
  Top w0.1: U5#8.A3 11.18,35.4 10.97,35.2 10.97,34.51 FB1#3.2
Board_2-VDC: length 8.7
  Top w0.1: C4.1 25.67,33.43 v3(25.67,34.33)
  Top w0.25: U4.1 19.1,32.04 19.1,31.4 v4(19.75,30.75) v4(20.2,30.75)
  In2.Cu w0.2: v4(12.85,31.75) 12,31.75 10.5,33.25 v3(9.18,33.25)
  Bottom w0.1: v3(9.18,33.25) 8.85,32.93 J4#7.17
  vias: v4(12.99,31.38) v4(26.41,31.85) v4(26.65,32.28)
Board_3-+1V1: length 17.4
  Top w0.2: v1(42.6,31.95) 42.6,32.13 41.9,32.84 41.9,33.15 ; 37.09,34.9 37.07,34.9 36.33,34.15 v1(36.33,33.45)
  In2.Cu w0.4: v1(42.6,31.95) 42.6,32.1 41.8,32.9 36.88,32.9 v1(36.33,33.45)
  Bottom w0.2: v1(42.6,31.95) 42.6,32.35 43,32.75 U3#8.23 ; v1(36.33,33.45) 36.43,33.55 U3#8.50 37.58,33.55 37.82,33.3 37.82,31.8 37.58,31.55 U3#8.45 36.21,31.55 36.06,31.4
Board_3-+3.3V: length 42.9
  Top w0.1: v3(35.79,33.25) 35.1,33.25 34.6,33.75 34.65,33.8 U5#5.A2 U5#5.A1 ; U4#3.7 40.52,30.49 41.26,29.75 41.45,29.75 41.67,29.53 v3(41.68,29.53) 42,29.85 43.13,29.85 R8#4.1 ; C10#5.1 39.47,34.92 L1#4.2 ; v3(42.48,30.85) 42.5,30.83 ; v3(37.82,29.53) C13#2.1
  Top w0.2: v3(36.6,36.23) 37.02,36.23 C17#4.1 ; v2(36.86,31.15) 36.86,29.84 37.18,29.53 C13#2.1
  In1.Cu w0.2: v2(36.86,31.15) 35.79,32.22 v3(35.79,33.25)
  In1.Cu w0.25: v3(37.82,29.53) 38.12,29.83 41.43,29.83 ; v3(42.48,30.85) 42.57,30.75 42.57,30.39 42.01,29.83 41.43,29.83 ; 41.43,29.83 41.68,29.58 v3(41.68,29.53)
  In2.Cu w0.1: v4(43.07,34.25) 45.06,34.25 v4(45.13,34.33)
  Bottom w0.1: v4(45.13,34.33) 45.6,34.8 45.95,34.8 46.15,35 46.15,36.25 45.73,36.68 v3(45.47,36.68)
  Bottom w0.15: 37.66,29.69 v3(37.82,29.53) ; 37.66,29.69 37.47,29.88 C11#5.1 R10#2.1 ; 37.66,29.69 37.75,29.6 37.97,29.6
  Bottom w0.2: U3#8.44 37.62,31.15 38.03,30.75 U3#8.42 ; 37.08,32.75 36.3,32.75 ; 36.3,32.75 36.25,32.8 C12#6.1 36.12,32.92 v3(35.79,33.25) ; 36.3,32.75 36.7,33.15 U3#8.49 ; 35.5,36.78 35.82,37.1 ; 35.43,36.58 JP1#3.3 35.65,36.35 36.48,36.35 v3(36.6,36.23) 37.16,36.79 U3#8.1 ; U3#8.22 43.62,33.15 43.07,33.7 v4(43.07,34.25) 43.07,34.68 41.62,36.12 U3#8.10
  vias: v1(39.72,35.95) v1(40.55,35.95) v3(30.03,33.28) v3(41.63,37.23)
